# KiCad board DB1MB.kicad_pcb
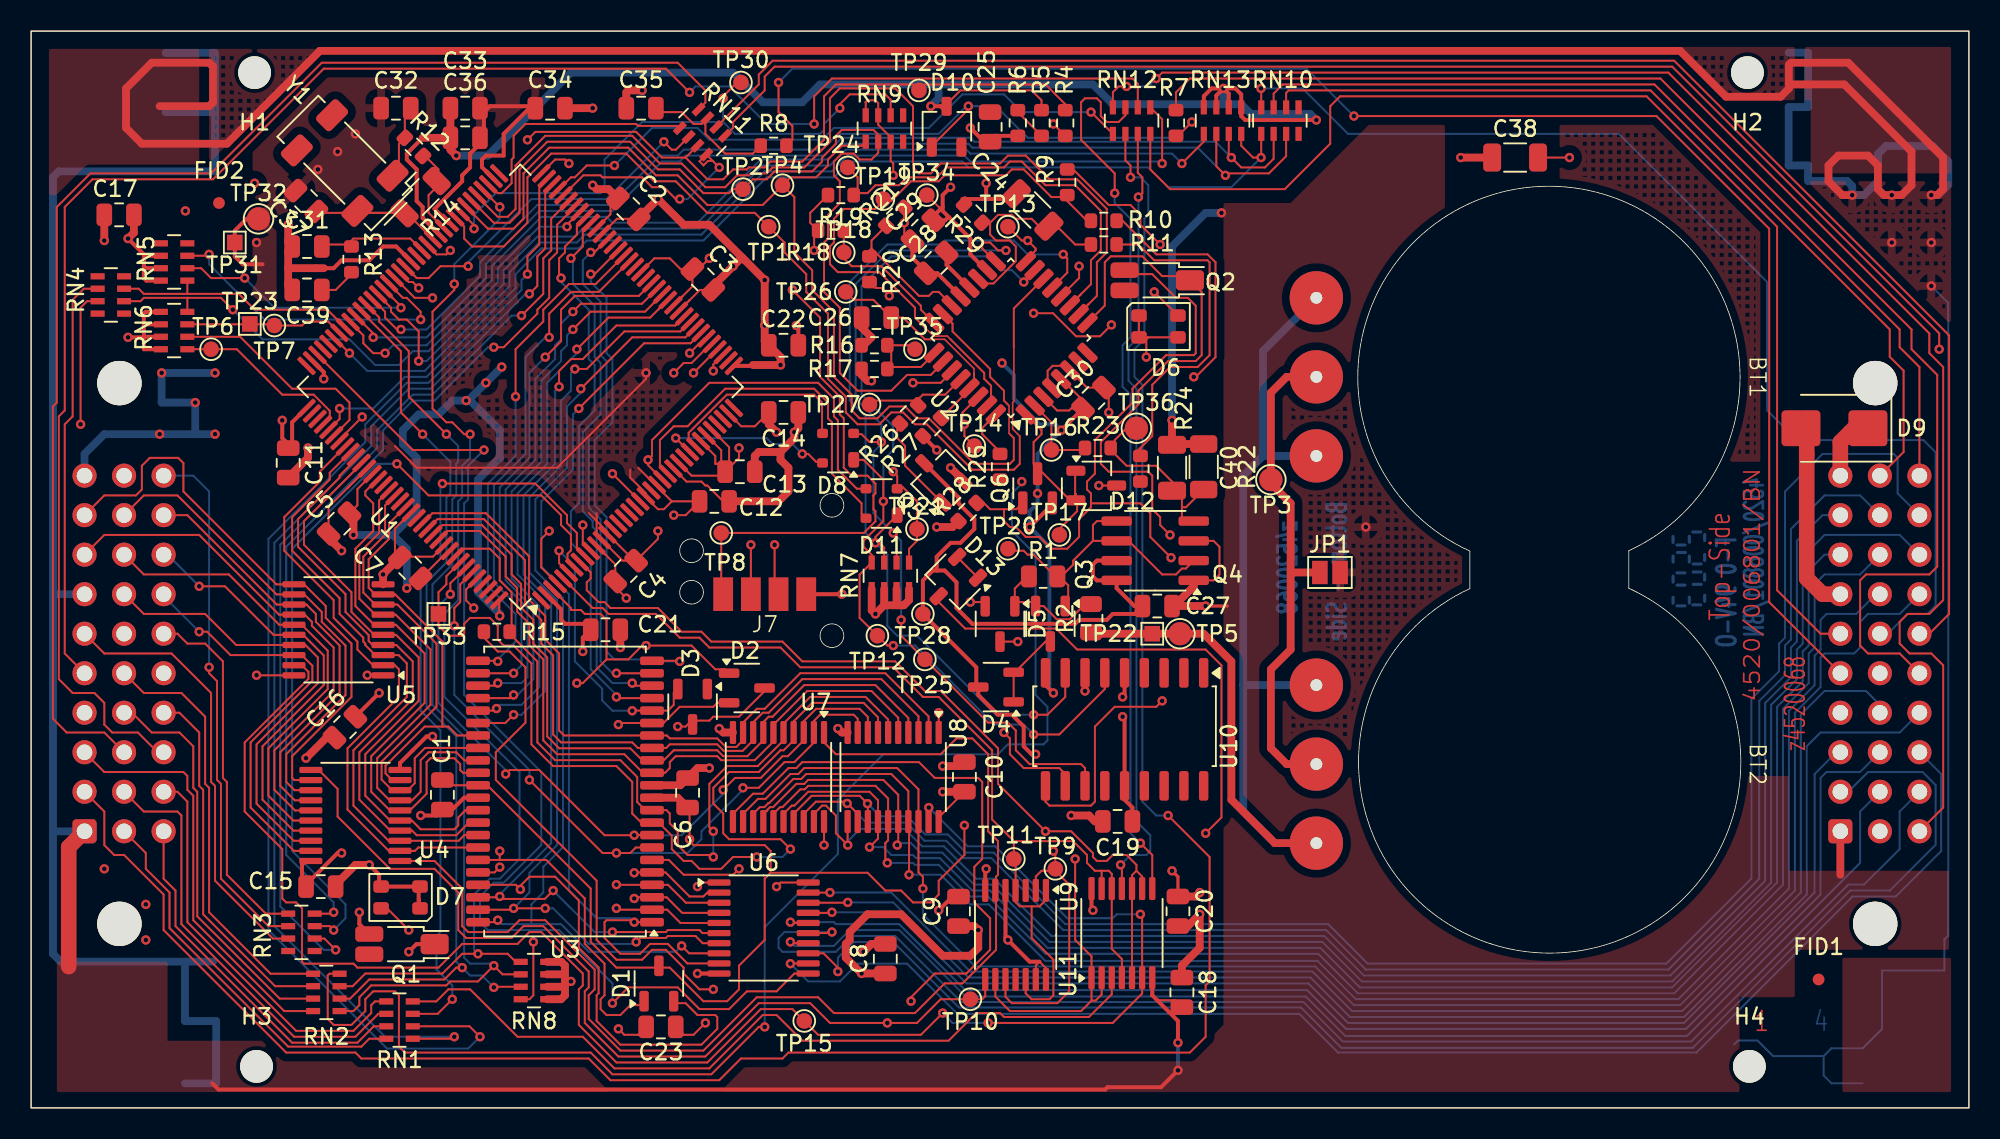
[diagram p0: board, top side]
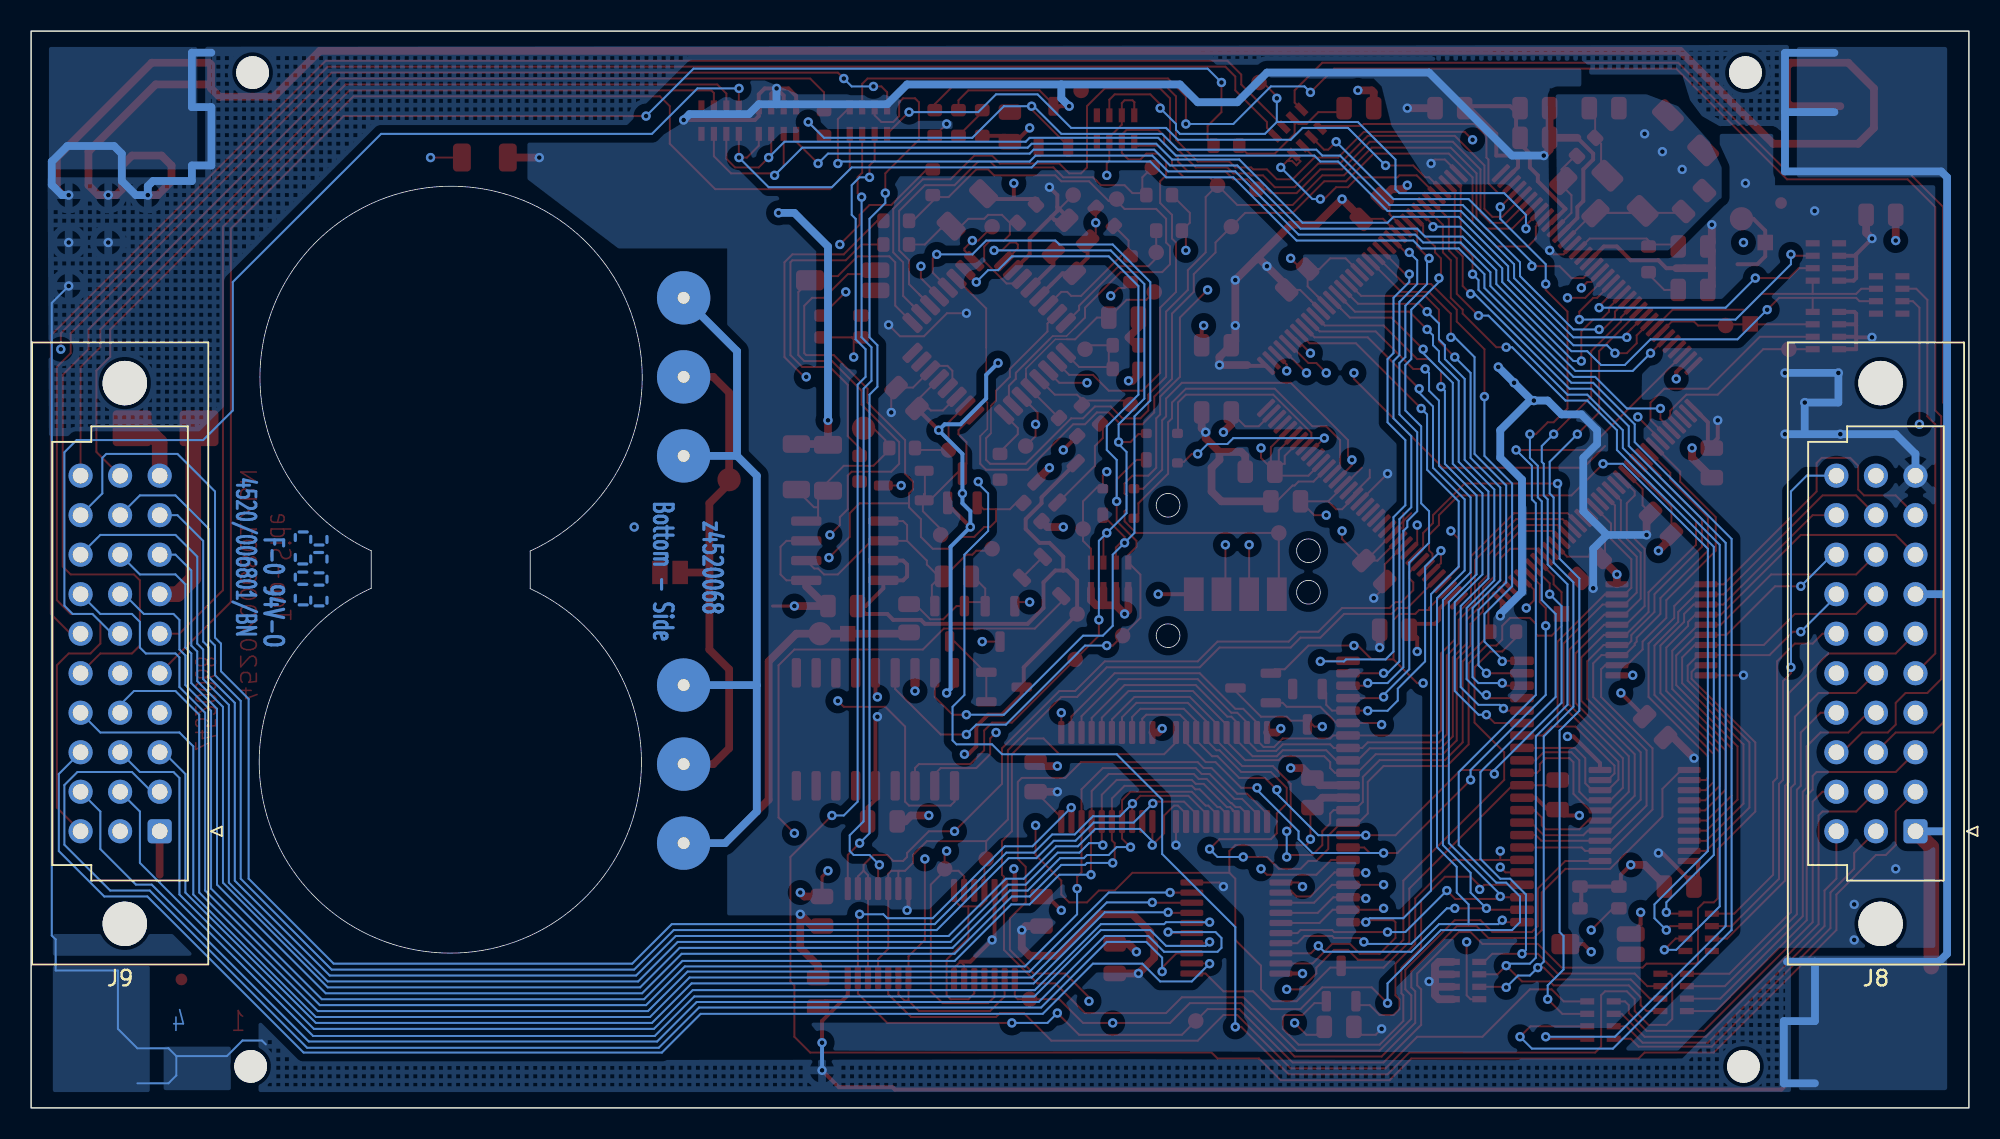
[diagram p1: board, bottom side, seen from below]

Outline 124.46 x 69.22 mm; copper layers: Top, In1.Cu, In2.Cu, Bottom. Coordinates in mm from the lower left corner of the outline.
Outline path: rectangle 0,69.22 124.46,0 ; circle c42.42,35.81 r0.76 ; circle c42.42,33.15 r0.76 ; circle c51.44,38.74 r0.76 ; circle c51.44,30.35 r0.76 ; 92.41,35.79 arc(97.46,59.24) 102.62,35.81 102.62,33.4 arc(97.56,9.95) 92.41,33.38 92.41,35.79
Stack: Top 0.035mm / dielectric 0.1mm FR4 er 4.5 / In1.Cu 0.035mm / dielectric 1.24mm FR4 er 4.5 / In2.Cu 0.035mm / dielectric 0.1mm FR4 er 4.5 / Bottom 0.035mm

## Placement (name value [footprint] x y rotation side)
BT1  Battery_Cell  [Battery_CR2450]  97.79 46.99 270 top
BT2  Battery_Cell  [Battery_CR2450]  97.79 22.1 270 top
C1  C  [C_0805_2012Metric]  26.42 20.13 270 top
C2  C  [C_0805_2012Metric]  38.35 57.79 135 top
C3  C  [C_0805_2012Metric]  43.14 53.25 135 top
C4  C  [C_0805_2012Metric]  38.19 34.51 45 top
C5  C  [C_0805_2012Metric]  19.78 37.56 225 top
C6  C  [C_0805_2012Metric]  42.16 20.25 90 top
C7  C  [C_0805_2012Metric]  24.35 34.71 135 top
C8  C  [C_0805_2012Metric]  54.86 9.59 90 top
C9  C  [C_0805_2012Metric]  59.56 12.63 90 top
C10  C  [C_0805_2012Metric]  59.94 21.28 90 top
C11  C  [C_0805_2012Metric]  16.51 41.46 270 top
C12  C  [C_0805_2012Metric]  43.88 38.99 180 top
C13  C  [C_0805_2012Metric]  45.53 40.89 180 top
C14  C  [C_0805_2012Metric]  48.33 44.7 180 top
C15  C  [C_0805_2012Metric]  18.61 14.22 0 top
C16  C  [C_0805_2012Metric]  20.16 24.47 45 top
C17  C  [C_0805_2012Metric]  5.65 57.4 180 top
C18  C  [C_0805_2012Metric]  73.91 7.43 270 top
C19  C  [C_0805_2012Metric]  69.78 18.42 180 top
C20  C  [C_0805_2012Metric]  73.66 12.64 90 top
C21  C  [C_0805_2012Metric]  36.89 30.73 180 top
C22  C  [C_0805_2012Metric]  48.33 49.02 0 top
C23  C  [C_0805_2012Metric]  40.45 5.21 0 top
C24  C  [C_1206_3216Metric]  64.33 57.72 135 top
C25  C  [C_0805_2012Metric]  61.6 63.06 90 top
C26  C  [C_0805_2012Metric]  54.29 50.8 180 top
C27  C  [C_0805_2012Metric]  72.33 32.26 0 top
C28  C  [C_0805_2012Metric]  58.13 54.32 45 top
C29  C  [C_0805_2012Metric]  57.28 56.39 45 top
C30  C  [C_0805_2012Metric]  68.24 45.63 45 top
C31  C  [C_0805_2012Metric]  17.72 55.37 0 top
C32  C  [C_0805_2012Metric]  23.43 64.26 180 top
C33  C  [C_0805_2012Metric]  27.88 64.26 0 top
C34  C  [C_0805_2012Metric]  33.34 64.26 180 top
C35  C  [C_0805_2012Metric]  39.18 64.26 180 top
C36  C  [C_0805_2012Metric]  27.88 62.36 0 top
C37  C  [C_0805_2012Metric]  17.65 58.29 135 top
C38  C  [C_1206_3216Metric]  95.32 61.09 0 top
C39  C  [C_0805_2012Metric]  17.72 52.58 0 top
C40  C  [C_1206_3216Metric]  73.28 41.15 90 top
D1  BAS40-05  [SOT-23-3]  40.32 8 90 top
D2  BAS40-05  [SOT-23-3]  45.97 26.99 0 top
D3  BAS40-05  [SOT-23-3]  42.48 25.79 270 top
D4  BAS40-05  [SOT-23-3]  61.97 27.05 180 top
D5  BAS40-05  [SOT-23-3]  62.23 31.11 270 top
D6  LED_RBGA  [LED_Cree-PLCC4_3.2x2.8mm_CCW]  72.41 50.23 0 top
D7  LED_RBGA  [LED_Cree-PLCC4_3.2x2.8mm_CCW]  23.73 13.53 180 top
D8  BAS28  [SOT-143]  51.83 42.41 180 top
D9  SM6T6V8A  [D_SMB]  115.83 43.69 180 top
D10  BAV70  [TSOT-23]  58.8 63.07 90 top
D11  BAS28  [SOT-143]  54.63 38.85 180 top
D12  BAS40-06  [TSOT-23]  68.41 40.01 0 top
D13  BAS40-06  [TSOT-23]  59.22 33.82 225 top
FID1  Fiducial  [Fiducial_0.75mm_Mask2.25mm]  114.81 8.26 0 top
FID2  Fiducial  [Fiducial_0.75mm_Mask2.25mm]  12.07 58.17 0 top
H1  MountingHole  [MountingHole_2.1mm]  14.35 66.55 180 top
H2  MountingHole  [MountingHole_2.1mm]  110.24 66.55 180 top
H3  MountingHole  [MountingHole_2.1mm]  14.48 2.67 0 top
H4  MountingHole  [MountingHole_2.1mm]  110.36 2.67 0 top
J7  Conn_01x04_Socket  [Deckel]  47.12 38.1 0 top
J8  DIN41612_03x10_ABC  [DIN41612_R3_3x10_Male_Vertical_THT]  3.43 17.78 0 bottom
J9  DIN41612_03x10_ABC  [DIN41612_R3_3x10_Male_Vertical_THT]  116.2 17.78 0 bottom
JP1  Jumper_2_Open  [SolderJumper-2_P1.3mm_Open_Pad1.0x1.5mm]  83.42 34.42 0 top
Q1  Q_Photo_NPN_CBE  [Osram_SMD-SmartDIL]  23.82 10.53 180 top
Q2  Q_Photo_NPN_CBE  [Osram_SMD-SmartDIL]  72.33 53.2 180 top
Q3  BSS84  [SOT-23-3]  65.47 31.12 270 top
Q4  IRF7313  [SOIC-8_3.9x4.9mm_P1.27mm]  72.2 35.81 180 top
Q5  BC807-40W  [TSOT-23]  58.29 40.51 135 top
Q6  BC846  [SOT-23]  64.64 39.83 90 top
R1  10  [R_0805_2012Metric]  65 34.16 0 top
R2  1  [R_0805_2012Metric]  68.07 31.47 90 top
R4  1k  [R_0603_1608Metric]  66.42 63.31 270 top
R5  100k  [R_0603_1608Metric]  64.9 63.31 270 top
R6  21.5k  [R_0603_1608Metric]  63.37 63.31 270 top
R7  10k  [R_0603_1608Metric]  73.53 63.31 270 top
R8  R  [R_0603_1608Metric]  47.69 61.85 0 top
R9  1k  [R_0603_1608Metric]  66.55 59.5 90 top
R10  1k  [R_0603_1608Metric]  68.9 57.02 0 top
R11  0  [R_0603_1608Metric]  68.9 55.5 0 top
R12  R  [R_0603_1608Metric]  24.59 61.77 315 top
R13  R  [R_0603_1608Metric]  20.57 54.55 270 top
R14  R  [R_1206_3216Metric]  25.02 58.55 225 top
R15  R  [R_0603_1608Metric]  29.91 30.61 180 top
R16  ~  [R_0603_1608Metric]  54.17 49.02 180 top
R17  ~  [R_0603_1608Metric]  54.17 47.5 180 top
R18  ~  [R_0603_1608Metric]  51.37 56.39 180 top
R19  ~  [R_0603_1608Metric]  52.01 58.67 180 top
R20  ~  [R_0603_1608Metric]  53.85 53.91 270 top
R21  ~  [R_0603_1608Metric]  55.5 57.28 45 top
R22  10M  [R_1206_3216Metric]  75.31 41.21 90 top
R23  ~  [R_0603_1608Metric]  68.52 42.42 0 top
R24  ~  [R_0603_1608Metric]  71.25 41.09 270 top
R25  ~  [R_0603_1608Metric]  62.23 41.21 90 top
R26  ~  [R_0603_1608Metric]  56.39 44.58 45 top
R27  ~  [R_0603_1608Metric]  57.86 43.76 45 top
R28  ~  [R_0603_1608Metric]  60.15 38.3 45 top
R29  ~  [R_0603_1608Metric]  60.5 57.48 135 top
RN1  330  [R_Array_Concave_4x0603]  23.66 5.65 0 top
RN2  750  [R_Array_Concave_4x0603]  18.96 7.42 0 top
RN3  330  [R_Array_Concave_4x0603]  17.36 11.28 0 top
RN4  R_Pack04  [R_Array_Concave_4x0603]  5.12 52.25 0 top
RN5  R_Pack04  [R_Array_Concave_4x0603]  9.18 54.38 0 top
RN6  822  [R_Array_Concave_4x0603]  9.18 49.97 0 top
RN7  822  [R_Array_Concave_4x0603]  55.19 34.2 90 top
RN8  822  [R_Array_Concave_4x0603]  32.3 8.19 0 top
RN9  R_Pack04  [R_Array_Concave_4x0603]  54.81 62.95 90 top
RN10  750  [R_Array_Concave_4x0603]  80.21 63.46 90 top
RN11  R_Pack04  [R_Array_Concave_4x0603]  43.12 62.73 45 top
RN12  330  [R_Array_Concave_4x0603]  70.68 63.46 90 top
RN13  822  [R_Array_Concave_4x0603]  76.52 63.46 90 top
TP1  TestPoint  [TestPoint_Pad_D1.0mm]  47.37 56.64 0 top
TP2  DSI  [TestPoint_Pad_D1.0mm]  45.72 59.06 0 top
TP3  TestPoint  [TestPoint_Pad_D1.5mm]  79.63 40.39 180 top
TP4  DSCLK  [TestPoint_Pad_D1.0mm]  48.26 59.31 0 top
TP5  TestPoint  [TestPoint_Pad_D1.5mm]  73.79 30.48 0 top
TP6  TestPoint  [TestPoint_Pad_D1.0mm]  11.56 48.77 0 top
TP7  TestPoint  [TestPoint_Pad_D1.0mm]  15.62 50.29 270 top
TP8  TestPoint  [TestPoint_Pad_D1.0mm]  44.32 36.96 180 top
TP9  TestPoint  [TestPoint_Pad_D1.0mm]  65.79 15.37 0 top
TP10  TestPoint  [TestPoint_Pad_D1.0mm]  60.33 6.99 180 top
TP11  TestPoint  [TestPoint_Pad_D1.0mm]  63.12 16 0 top
TP12  TestPoint  [TestPoint_Pad_D1.0mm]  54.36 30.35 0 top
TP13  TestPoint  [TestPoint_Pad_D1.0mm]  62.74 56.64 0 top
TP14  TestPoint  [TestPoint_Pad_D1.0mm]  60.58 42.55 0 top
TP15  TestPoint  [TestPoint_Pad_D1.0mm]  49.66 5.59 180 top
TP16  TestPoint  [TestPoint_Pad_D1.0mm]  65.53 42.29 0 top
TP17  TestPoint  [TestPoint_Pad_D1.0mm]  66.04 36.83 0 top
TP18  TestPoint  [TestPoint_Pad_D1.0mm]  52.2 54.99 0 top
TP19  TestPoint  [TestPoint_Pad_D1.0mm]  54.74 58.42 0 top
TP20  TestPoint  [TestPoint_Pad_D1.0mm]  62.74 35.94 0 top
TP21  TestPoint  [TestPoint_Pad_D1.0mm]  56.9 37.21 0 top
TP22  TestPoint  [TestPoint_Pad_1.0x1.0mm]  72.01 30.48 0 top
TP23  TestPoint  [TestPoint_Pad_1.0x1.0mm]  14.05 50.39 0 top
TP24  TestPoint  [TestPoint_Pad_D1.0mm]  52.45 60.45 0 top
TP25  TestPoint  [TestPoint_Pad_D1.0mm]  57.4 28.83 0 top
TP26  TestPoint  [TestPoint_Pad_D1.0mm]  52.32 52.45 0 top
TP27  TestPoint  [TestPoint_Pad_D1.0mm]  53.85 45.21 0 top
TP28  TestPoint  [TestPoint_Pad_D1.0mm]  57.28 31.75 0 top
TP29  TestPoint  [TestPoint_Pad_D1.0mm]  57.02 65.41 0 top
TP30  TestPoint  [TestPoint_Pad_D1.0mm]  45.59 65.91 0 top
TP31  TestPoint  [TestPoint_Pad_1.0x1.0mm]  13.08 55.63 180 top
TP32  TestPoint  [TestPoint_Pad_D1.5mm]  14.61 57.15 0 top
TP33  TestPoint  [TestPoint_Pad_1.0x1.0mm]  26.16 31.75 180 top
TP34  TestPoint  [TestPoint_Pad_D1.0mm]  57.53 58.67 0 top
TP35  TestPoint  [TestPoint_Pad_D1.0mm]  56.77 48.77 0 top
TP36  TestPoint  [TestPoint_Pad_D1.5mm]  70.99 43.69 0 top
U1  MC68331CAG16  [TQFP-144_20x20mm_P0.5mm]  31.41 46.34 135 top
U2  ATmega48V-10A  [TQFP-32_7x7mm_P0.8mm]  62.92 49.5 135 top
U3  CY62157  [TSOP-II-44_10.16x18.41mm_P0.8mm]  34.29 20.34 180 top
U4  74LS573  [TSSOP-20_4.4x6.5mm_P0.65mm]  20.83 18.8 180 top
U5  74LS245  [TSSOP-20_4.4x6.5mm_P0.65mm]  19.74 30.73 180 top
U6  74LS573  [TSSOP-20_4.4x6.5mm_P0.65mm]  47.05 11.56 0 top
U7  74LS573  [TSSOP-20_4.4x6.5mm_P0.65mm]  48 21.27 270 top
U8  74LS245  [TSSOP-20_4.4x6.5mm_P0.65mm]  55.37 21.27 270 top
U9  74LS20  [TSSOP-14_4.4x5mm_P0.65mm]  63.23 11.12 270 top
U10  RTC4543SB  [SOP-18_5.4x11.4mm_P1.27mm]  70.23 24.48 270 top
U11  74LS08  [TSSOP-14_4.4x5mm_P0.65mm]  70.06 11.23 90 top
Y1  32.768k  [Crystal_SMD_SeikoEpson_MC306-4Pin_8.0x3.2mm]  20.14 60.73 135 top

## Library data of the parts
BT1 BT2 = -: Description: Single-cell battery
C1-C40 = -: Description: Unpolarized capacitor; ki_fp_filters: C_*
D1-D5 = -: Description: Dual Schottky diode, common cathode on pin 3
D6 D7 = -: Description: RGB LED, red/blue/green/anode; ki_fp_filters: LED* LED_SMD:* LED_THT:*
D8 D11 = -: Datasheet: https://assets.nexperia.com/documents/data-sheet/BAS28.pdf; Description: High-speed double diode; ki_fp_filters: SOT?363*
D9 = -: Datasheet: https://www.st.com/resource/en/datasheet/sm6t.pdf; Description: 600W unidirectional Transil Transient Voltage Suppressor, 6.8Vrwm, DO-214AA; ki_fp_filters: D*SMB*
D10 = -: Datasheet: https://assets.nexperia.com/documents/data-sheet/BAV70_SER.pdf; Description: Dual 100V 215mA high-speed switching diodes, common cathode, SOT-23; ki_fp_filters: SOT?23*
D12 D13 = -: Description: Dual diode, common anode on pin 3
FID1 FID2 = -: Description: Fiducial Marker; ki_fp_filters: Fiducial*
H1-H4 = -: Description: Mounting Hole without connection; ki_fp_filters: MountingHole*
J7 = -: Description: Generic connector, single row, 01x04, script generated; ki_fp_filters: Connector*:*_1x??_*
J8 J9 = -: Description: DIN41612 connector, double row (AB), 02x10, script generated (kicad-library-utils/schlib/autogen/connector/); ki_fp_filters: DIN41612*2x*
JP1 = -: Description: Jumper, 2-pole, open; ki_fp_filters: Jumper* TestPoint*2Pads* TestPoint*Bridge*
Q1 Q2 = -: Description: NPN phototransistor, collector/base/emitter
Q3 = -: Datasheet: http://assets.nexperia.com/documents/data-sheet/BSS84.pdf; Description: -0.13A Id, -50V Vds, P-Channel MOSFET, SOT-23; ki_fp_filters: SOT?23*
Q4 = -: Datasheet: http://www.irf.com/product-info/datasheets/data/irf7309ipbf.pdf; Description: 3A Id, 30V Vds, Dual HEXFET N- and P-Channel MOSFET, SO-8; ki_fp_filters: SOIC*3.9x4.9mm*P1.27mm*
Q5 = -: Description: PNP transistor, base/emitter/collector
Q6 = -: Datasheet: https://assets.nexperia.com/documents/data-sheet/BC846_SER.pdf; Description: 0.1A Ic, 65V Vce, NPN Transistor, SOT-23; ki_fp_filters: SOT?23*
R1 R2 R4-R29 = -: Description: Resistor; ki_fp_filters: R_*
RN1-RN13 = -: Description: 4 resistor network, parallel topology; ki_fp_filters: DIP* SOIC* R*Array*Concave* R*Array*Convex* MSOP*
TP1-TP36 = -: Description: test point; ki_fp_filters: Pin* Test*
U1 = -: Datasheet: https://www.nxp.com/docs/en/data-sheet/MC68331UM.pdf
U2 = -: Datasheet: http://ww1.microchip.com/downloads/en/DeviceDoc/Atmel-2545-8-bit-AVR-Microcontroller-ATmega48-88-168_Datasheet.pdf; Description: 10MHz, 4kB Flash, 512B SRAM, 256B EEPROM, TQFP-32; ki_fp_filters: TQFP*7x7mm*P0.8mm*
U3 = -: Datasheet: https://www.infineon.com/dgdl/Infineon-CY62157EV30_MoBL_8-Mbit_(512_K_16)_Static_RAM-DataSheet-v20_00-EN.pdf; Description: 8-Mbit (512K x 16) Static RAM, 45ns, TSOP II-44; ki_fp_filters: TSOP*10.16x18.41mm*P0.8mm*
U4 U6 U7 = -: Datasheet: 74xx/74hc573.pdf; Description: 8-bit Latch 3-state outputs; ki_fp_filters: DIP?20*
U5 U8 = -: Datasheet: http://www.ti.com/lit/gpn/sn74LS245; Description: Octal BUS Transceivers, 3-State outputs; ki_fp_filters: DIP?20*
U9 = -: Datasheet: http://www.ti.com/lit/gpn/sn74LS20; Description: Dual 4-input NAND; ki_fp_filters: DIP?12*
U11 = -: Datasheet: http://www.ti.com/lit/gpn/sn74LS08; Description: Quad And2; ki_fp_filters: DIP*W7.62mm*
Y1 = -: Description: Four pin crystal, GND on pins 2 and 3; ki_fp_filters: Crystal*

## Footprints (pads in the part's own frame, mm; a bottom-side part is the same pattern mirrored in y, then rotated)
Battery_CR2450
  round 3.429 hole 0.762: 1(-5.08,-15.24) 1(5.08,-15.24) 2(0,-15.24)
C_0805_2012Metric
  rrect 1x1.45 smd: 1(-0.95,0) 2(0.95,0)
C_1206_3216Metric
  rrect 1.15x1.8 smd: 1(-1.475,0) 2(1.475,0)
Crystal_SMD_SeikoEpson_MC306-4Pin_8.0x3.2mm
  rrect 1.3x1.9 smd: 1(-2.75,-1.6) 2(2.75,-1.6) 3(2.75,1.6) 4(-2.75,1.6)
D_SMB
  rrect 2.5x2.3 smd: 1(-2.15,0) 2(2.15,0)
Deckel
  rect 1.27x2.159 smd: 1(-2.667,-5.08) 2(-0.889,-5.08) 3(0.889,-5.08) 4(2.667,-5.08)
DIN41612_R3_3x10_Male_Vertical_THT
  round 2.85 hole 2.85 unplated: (2.24,-28.81) (2.24,5.95)
  rrect 1.55x1.55 hole 1: a1(0,0)
  round 1.55 hole 1: a2(0,-2.54) a3(0,-5.08) a4(0,-7.62) a5(0,-10.16) a6(0,-12.7) a7(0,-15.24) a8(0,-17.78) a9(0,-20.32) a10(0,-22.86) b1(2.54,0) b2(2.54,-2.54) b3(2.54,-5.08) b4(2.54,-7.62) b5(2.54,-10.16) b6(2.54,-12.7) b7(2.54,-15.24) b8(2.54,-17.78) b9(2.54,-20.32) b10(2.54,-22.86) c1(5.08,0) c2(5.08,-2.54) c3(5.08,-5.08) c4(5.08,-7.62) c5(5.08,-10.16) c6(5.08,-12.7) c7(5.08,-15.24) c8(5.08,-17.78) c9(5.08,-20.32) c10(5.08,-22.86)
Fiducial_0.75mm_Mask2.25mm
  round 0.75 smd: (0,0)
LED_Cree-PLCC4_3.2x2.8mm_CCW
  rrect 1x0.8 smd: 1(-1.25,0.7) 2(-1.25,-0.7) 3(1.25,-0.7) 4(1.25,0.7)
MountingHole_2.1mm
  round 2.1 hole 2.1 unplated: (0,0)
Osram_SMD-SmartDIL
  rrect 1.8x1.3 smd: 1(-2.1,0)
  rrect 1.8x1 smd: 2(2.1,0.65) 3(2.1,-0.65)
R_0603_1608Metric
  rrect 0.8x0.95 smd: 1(-0.825,0) 2(0.825,0)
R_0805_2012Metric
  rrect 1.025x1.4 smd: 1(-0.912,0) 2(0.912,0)
R_1206_3216Metric
  rrect 1.125x1.75 smd: 1(-1.462,0) 2(1.462,0)
R_Array_Concave_4x0603
  rect 0.9x0.4 smd: 1(-0.85,1.2) 2(-0.85,0.4) 3(-0.85,-0.4) 4(-0.85,-1.2) 5(0.85,-1.2) 6(0.85,-0.4) 7(0.85,0.4) 8(0.85,1.2)
SOIC-8_3.9x4.9mm_P1.27mm
  rrect 1.95x0.6 smd: 1(-2.475,1.905) 2(-2.475,0.635) 3(-2.475,-0.635) 4(-2.475,-1.905) 5(2.475,-1.905) 6(2.475,-0.635) 7(2.475,0.635) 8(2.475,1.905)
SolderJumper-2_P1.3mm_Open_Pad1.0x1.5mm
  rect 1x1.5 smd: 1(-0.65,0) 2(0.65,0)
SOP-18_5.4x11.4mm_P1.27mm
  rrect 1.9x0.6 smd: 1(-3.486,5.08) 2(-3.486,3.81) 3(-3.486,2.54) 4(-3.486,1.27) 5(-3.486,0) 6(-3.486,-1.27) 7(-3.486,-2.54) 8(-3.486,-3.81) 9(-3.486,-5.08) 10(3.779,-5.08) 11(3.779,-3.81) 12(3.779,-2.54) 13(3.779,-1.27) 14(3.779,0) 15(3.779,1.27) 16(3.779,2.54) 17(3.779,3.81) 18(3.779,5.08)
SOT-23
  rrect 1.475x0.6 smd: 1(-0.938,0.95) 2(-0.938,-0.95) 3(0.938,0)
SOT-23-3
  rrect 1.325x0.6 smd: 1(-1.137,0.95) 2(-1.137,-0.95) 3(1.137,0)
SOT-143
  rrect 0.7x1 smd: 1(-1,0.75)
  rrect 0.7x0.6 smd: 2(-1,-0.95) 3(1,-0.95) 4(1,0.95)
TestPoint_Pad_1.0x1.0mm
  rect 1x1 smd: 1(0,0)
TestPoint_Pad_D1.0mm
  round 1 smd: 1(0,0)
TestPoint_Pad_D1.5mm
  round 1.5 smd: 1(0,0)
TQFP-32_7x7mm_P0.8mm
  rrect 1.475x0.55 smd: 1(-4.162,2.8) 2(-4.162,2) 3(-4.162,1.2) 4(-4.162,0.4) 5(-4.162,-0.4) 6(-4.162,-1.2) 7(-4.162,-2) 8(-4.162,-2.8) 17(4.162,-2.8) 18(4.162,-2) 19(4.162,-1.2) 20(4.162,-0.4) 21(4.162,0.4) 22(4.162,1.2) 23(4.162,2) 24(4.162,2.8)
  rrect 0.55x1.475 smd: 9(-2.8,-4.162) 10(-2,-4.162) 11(-1.2,-4.162) 12(-0.4,-4.162) 13(0.4,-4.162) 14(1.2,-4.162) 15(2,-4.162) 16(2.8,-4.162) 25(2.8,4.162) 26(2,4.162) 27(1.2,4.162) 28(0.4,4.162) 29(-0.4,4.162) 30(-1.2,4.162) 31(-2,4.162) 32(-2.8,4.162)
TQFP-144_20x20mm_P0.5mm
  rrect 1.475x0.3 smd: 1(-10.662,8.75) 2(-10.662,8.25) 3(-10.663,7.75) 4(-10.662,7.25) 5(-10.662,6.75) 6(-10.662,6.25) 7(-10.662,5.75) 8(-10.662,5.25) 9(-10.662,4.75) 10(-10.662,4.25) 11(-10.662,3.75) 12(-10.662,3.25) 13(-10.662,2.75) 14(-10.662,2.25) 15(-10.662,1.75) 16(-10.663,1.25) 17(-10.662,0.75) 18(-10.662,0.25) 19(-10.662,-0.25) 20(-10.662,-0.75) 21(-10.663,-1.25) 22(-10.662,-1.75) 23(-10.662,-2.25) 24(-10.662,-2.75) 25(-10.662,-3.25) 26(-10.662,-3.75) 27(-10.662,-4.25) 28(-10.662,-4.75) 29(-10.662,-5.25) 30(-10.662,-5.75) 31(-10.662,-6.25) 32(-10.662,-6.75) 33(-10.662,-7.25) 34(-10.663,-7.75) 35(-10.662,-8.25) 36(-10.662,-8.75) 73(10.662,-8.75) 74(10.662,-8.25) 75(10.663,-7.75) 76(10.662,-7.25) 77(10.662,-6.75) 78(10.662,-6.25) 79(10.662,-5.75) 80(10.662,-5.25) 81(10.662,-4.75) 82(10.662,-4.25) 83(10.662,-3.75) 84(10.662,-3.25) 85(10.662,-2.75) 86(10.662,-2.25) 87(10.662,-1.75) 88(10.663,-1.25) 89(10.662,-0.75) 90(10.662,-0.25) 91(10.662,0.25) 92(10.662,0.75) 93(10.663,1.25) 94(10.662,1.75) 95(10.662,2.25) 96(10.662,2.75) 97(10.662,3.25) 98(10.662,3.75) 99(10.662,4.25) 100(10.662,4.75) 101(10.662,5.25) 102(10.662,5.75) 103(10.662,6.25) 104(10.662,6.75) 105(10.662,7.25) 106(10.663,7.75) 107(10.662,8.25) 108(10.662,8.75)
  rrect 0.3x1.475 smd: 37(-8.75,-10.662) 38(-8.25,-10.662) 39(-7.75,-10.663) 40(-7.25,-10.662) 41(-6.75,-10.662) 42(-6.25,-10.662) 43(-5.75,-10.662) 44(-5.25,-10.662) 45(-4.75,-10.662) 46(-4.25,-10.662) 47(-3.75,-10.662) 48(-3.25,-10.662) 49(-2.75,-10.662) 50(-2.25,-10.662) 51(-1.75,-10.662) 52(-1.25,-10.663) 53(-0.75,-10.662) 54(-0.25,-10.662) 55(0.25,-10.662) 56(0.75,-10.662) 57(1.25,-10.663) 58(1.75,-10.662) 59(2.25,-10.662) 60(2.75,-10.662) 61(3.25,-10.662) 62(3.75,-10.662) 63(4.25,-10.662) 64(4.75,-10.662) 65(5.25,-10.662) 66(5.75,-10.662) 67(6.25,-10.662) 68(6.75,-10.662) 69(7.25,-10.662) 70(7.75,-10.663) 71(8.25,-10.662) 72(8.75,-10.662) 109(8.75,10.662) 110(8.25,10.662) 111(7.75,10.663) 112(7.25,10.662) 113(6.75,10.662) 114(6.25,10.662) 115(5.75,10.662) 116(5.25,10.662) 117(4.75,10.662) 118(4.25,10.662) 119(3.75,10.662) 120(3.25,10.662) 121(2.75,10.662) 122(2.25,10.662) 123(1.75,10.662) 124(1.25,10.663) 125(0.75,10.662) 126(0.25,10.662) 127(-0.25,10.662) 128(-0.75,10.662) 129(-1.25,10.663) 130(-1.75,10.662) 131(-2.25,10.662) 132(-2.75,10.662) 133(-3.25,10.662) 134(-3.75,10.662) 135(-4.25,10.662) 136(-4.75,10.662) 137(-5.25,10.662) 138(-5.75,10.662) 139(-6.25,10.662) 140(-6.75,10.662) 141(-7.25,10.662) 142(-7.75,10.663) 143(-8.25,10.662) 144(-8.75,10.662)
TSOP-II-44_10.16x18.41mm_P0.8mm
  rrect 1.525x0.55 smd: 1(-5.588,8.4) 2(-5.588,7.6) 3(-5.588,6.8) 4(-5.588,6) 5(-5.588,5.2) 6(-5.588,4.4) 7(-5.588,3.6) 8(-5.588,2.8) 9(-5.588,2) 10(-5.588,1.2) 11(-5.588,0.4) 12(-5.588,-0.4) 13(-5.588,-1.2) 14(-5.588,-2) 15(-5.588,-2.8) 16(-5.588,-3.6) 17(-5.588,-4.4) 18(-5.588,-5.2) 19(-5.588,-6) 20(-5.588,-6.8) 21(-5.588,-7.6) 22(-5.588,-8.4) 23(5.588,-8.4) 24(5.588,-7.6) 25(5.588,-6.8) 26(5.588,-6) 27(5.588,-5.2) 28(5.588,-4.4) 29(5.588,-3.6) 30(5.588,-2.8) 31(5.588,-2) 32(5.588,-1.2) 33(5.588,-0.4) 34(5.588,0.4) 35(5.588,1.2) 36(5.588,2) 37(5.588,2.8) 38(5.588,3.6) 39(5.588,4.4) 40(5.588,5.2) 41(5.588,6) 42(5.588,6.8) 43(5.588,7.6) 44(5.588,8.4)
TSOT-23
  rrect 1.22x0.65 smd: 1(-1.31,0.95) 2(-1.31,-0.95) 3(1.31,0)
TSSOP-14_4.4x5mm_P0.65mm
  rrect 1.475x0.4 smd: 1(-2.862,1.95) 2(-2.862,1.3) 3(-2.862,0.65) 4(-2.862,0) 5(-2.862,-0.65) 6(-2.862,-1.3) 7(-2.862,-1.95) 8(2.862,-1.95) 9(2.862,-1.3) 10(2.862,-0.65) 11(2.862,0) 12(2.862,0.65) 13(2.862,1.3) 14(2.862,1.95)
TSSOP-20_4.4x6.5mm_P0.65mm
  rrect 1.475x0.4 smd: 1(-2.862,2.925) 2(-2.862,2.275) 3(-2.862,1.625) 4(-2.862,0.975) 5(-2.862,0.325) 6(-2.862,-0.325) 7(-2.862,-0.975) 8(-2.862,-1.625) 9(-2.862,-2.275) 10(-2.862,-2.925) 11(2.862,-2.925) 12(2.862,-2.275) 13(2.862,-1.625) 14(2.862,-0.975) 15(2.862,-0.325) 16(2.862,0.325) 17(2.862,0.975) 18(2.862,1.625) 19(2.862,2.275) 20(2.862,2.925)
